# KiCad board homebrew_486.kicad_pcb (continued)
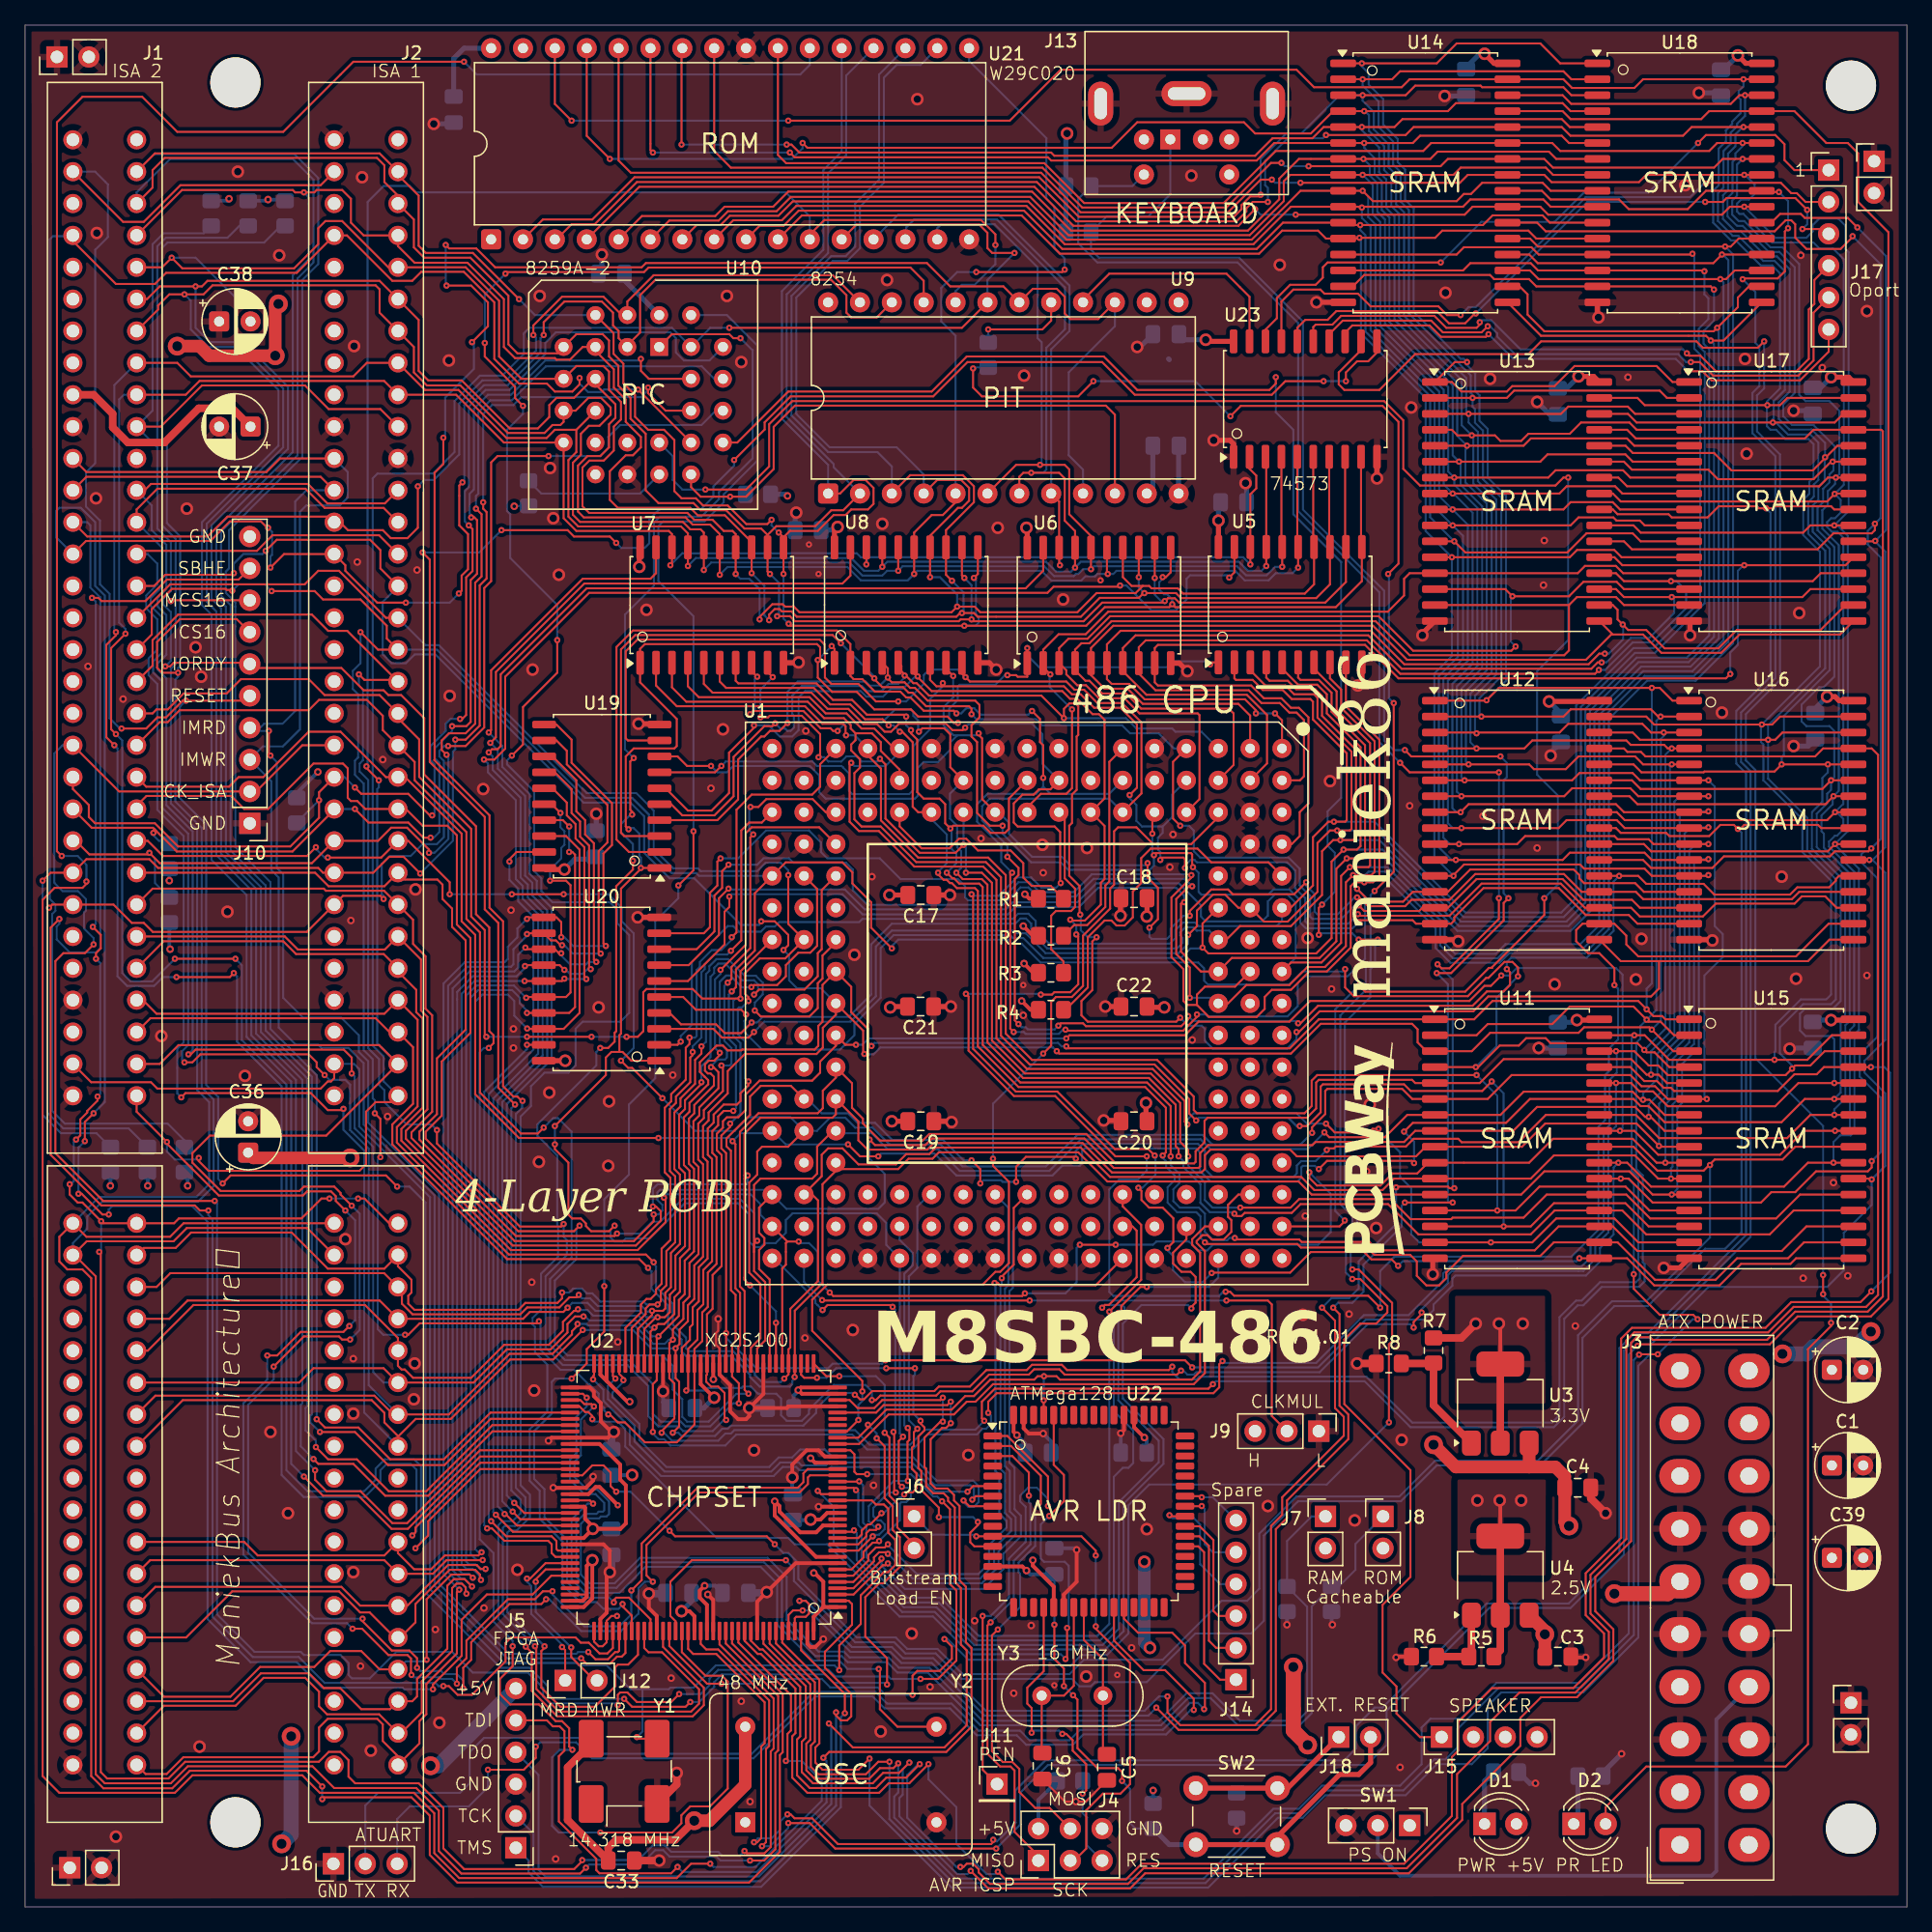
[diagram p0: board, top side]
## Routing (per net, layer and track width the routed paths; a pad name or vN(x,y) marks a point on that pad's centre or on a via; arc(x,y) is an arc through that point) (continued)
/A1: length 290
  Top w0.16: J1.61 10.73,67.2 12.23,68.69 28.22,68.69 J2.61 24,61.48 14.73,61.48 13.33,60.08 13.33,59.32 15.59,57.07 21.88,57.07 22.22,57.42 24.64,57.42 25.15,56.91 25.15,56.78 v3(26.04,55.89) ; v3(77.34,132.47) 77.34,133.32 76.2,134.46 63.71,134.46 62.55,133.3 U21.11 ; v3(50.04,25.92) 49.53,26.43 49.53,28.84 53.72,33.03 61.72,33.03 62.4,33.71 62.4,34.24 62.56,34.4 U2.22 ; v3(26.9,22.97) 26.9,22.77 29.24,20.43 30.63,20.43 31.24,19.83 v3(31.24,19.06) ; v3(41.53,24.52) 41.15,24.14 38.61,24.14 35.56,21.09 35.56,19.7 34.92,19.06 v3(34.92,17.41) ; v3(19.81,43.07) 22.22,45.47 25.02,45.47 25.27,45.23 v3(25.91,45.23) ; v3(28.19,89.8) 27.21,90.79 v3(27.21,90.91)
  Bottom w0.16: v3(31.24,19.06) 31.5,18.81 33.15,18.81 33.4,18.56 34.42,18.56 34.92,18.05 v3(34.92,17.41) ; v3(25.91,45.23) 26.67,45.99 26.67,55.26 v3(26.04,55.89) ; U21.11 62.55,134.76 60.64,136.67 31.18,136.67 30.67,137.17 28.57,137.17 27.31,135.9 27.31,91.01 v3(27.21,90.91) 27.18,90.88 ; v3(77.34,132.47) 77.34,130.95 75.69,129.3 74.68,129.3 74.17,128.79 U9.20 ; v3(19.81,43.07) 19.81,42.05 17.78,40.02 17.78,28.24 23.05,22.97 v3(26.9,22.97) ; v3(28.19,89.8) 28.19,89.23 28.07,89.1 28.07,68.85 J2.61 ; v3(50.04,25.92) 49.4,25.92 48.89,25.41 48.89,23.38 47.5,21.98 44.32,21.98 41.78,24.52 v3(41.53,24.52)
/A2: length 360.3
  Top w0.16: 103.95,132.98 U14.12 ; 103.95,132.98 103.7,132.98 103.06,133.62 100.2,133.62 98.36,131.78 82.49,131.78 79.44,134.82 61.91,134.82 U21.10 ; 103.95,132.98 U14.12 ; v3(49.66,50.94) 48.96,51.64 38.42,51.64 29.27,60.78 29.27,62.37 30.92,64.02 30.92,68.53 J2.60 29.04,69.74 27.94,70.84 9.99,70.84 J1.60 ; U14.12 106.3,132.98 v3(106.36,133.05) 112.4,133.05 112.97,133.62 119.83,133.62 120.46,132.98 U18.12 ; U15.12 v3(131.25,56.78) 129.73,56.78 127.88,58.63 121.1,58.63 119.25,56.78 U11.12 102.55,56.78 101.51,57.82 86.27,57.82 83.95,60.15 72.83,60.15 72.33,59.64 70.42,59.64 69.6,58.81 65.14,58.81 U1.Q14 64.58,59.27 64.58,58.62 63.56,57.61 63.56,49.73 61.35,47.52 U2.40 61.35,42.25 v3(61.34,42.24) ; U12.12 v3(113.86,82.18) 113.86,82.25 114.7,83.09 123.94,83.09 124.27,82.76 129.09,82.76 129.67,82.18 U16.12 134.11,82.18 v3(134.18,82.25) ; U17.12 127.25,107.58 126.67,108.16 123.71,108.16 123.13,107.58 v3(113.73,107.58) U13.12
  Bottom w0.16: v3(49.66,50.94) 49.93,50.67 49.93,49.27 51.24,47.96 51.24,46.3 52.33,45.22 52.33,44.26 52.67,43.92 56.29,43.92 57.78,42.43 57.78,42.24 58.55,41.48 60.96,41.48 61.15,41.67 61.15,41.92 61.34,42.11 v3(61.34,42.24) ; v3(106.36,133.05) 106.48,132.93 106.48,125.43 111.63,120.28 111.63,109.68 v3(113.73,107.58) 113.73,99.71 112.33,98.31 112.33,83.71 v3(113.86,82.18) ; v3(131.25,56.78) 131.7,57.23 131.7,63.7 132.08,64.08 132.08,67.2 133.41,68.53 133.41,82.06 133.54,82.18 133.92,82.18
/A3: length 367.8
  Top w0.16: U17.11 128.78,108.85 128.14,109.49 124.46,109.49 122.94,107.96 114.81,107.96 v3(113.92,108.85) U13.11 ; U15.11 v3(131.19,58.05) 130.17,58.05 128.32,59.9 121.86,59.9 120.01,58.05 U11.11 109.11,58.05 108.2,57.14 102.76,57.14 101.72,58.18 86.48,58.18 84.14,60.53 72.6,60.53 72.07,60 70.23,60 69.41,59.19 66.43,59.19 65.15,60.47 64.01,60.47 63.5,59.96 63.5,58.24 62.09,56.83 U1.R15 ; U1.R15 62.74,56.78 63.2,56.32 63.2,49.88 60.99,47.67 60.99,44.59 60.85,44.45 U2.41 60.85,42.45 v3(60.52,42.11) ; U1.R15 62.17,56.78 ; U21.9 58.55,134 60.45,134 61.66,135.2 79.63,135.2 82.68,132.16 98.17,132.16 100.27,134.25 U14.11 105.25,134.06 116.2,134.06 116.98,134.83 120.96,134.83 121.54,134.25 U18.11 ; U12.11 122.56,83.45 123.13,84.03 129.09,84.03 129.67,83.45 U16.11 134.11,83.45 v3(134.18,83.52) ; J1.59 9.4,72.28 10.48,71.2 28.64,71.2 J2.59 31.28,70.71 31.28,63.81 29.63,62.16 29.63,60.93 38.57,52 49.49,52 v3(50.1,51.38)
  Bottom w0.16: v3(50.1,51.38) 50.1,51.26 50.29,51.07 50.29,49.42 51.63,48.08 51.63,46.43 52.69,45.37 52.69,44.53 52.91,44.3 56.42,44.3 58.17,42.56 58.17,42.41 58.74,41.84 60.24,41.84 v3(60.52,42.11) ; 134.05,83.52 133.35,83.52 133.03,83.2 133.03,68.78 131.68,67.43 131.68,64.32 131.32,63.96 131.32,59 131.19,58.88 v3(131.19,58.05) ; v3(106.43,134.06) 106.43,133.66 106.84,133.24 106.84,125.58 111.99,120.43 111.99,110.78 v3(113.92,108.85) 114.21,108.56 114.21,99.64 112.69,98.12 112.69,84.47 113.71,83.45 v3(114.05,83.45)
/A4: length 377.6
  Top w0.16: v3(50.93,56.53) 51.05,56.4 51.05,54.58 48.83,52.36 38.72,52.36 29.99,61.08 29.99,62.01 31.69,63.7 31.69,70.82 31.18,71.32 31.18,73.1 29.72,74.56 J2.58 28.58,75.95 21.59,75.95 20.57,76.98 11.05,76.98 J1.58 ; v3(102.36,58.56) 102.36,58.12 102.98,57.5 108.03,57.5 109,58.46 110.97,58.46 111.82,59.32 U11.10 119.89,59.32 121.79,61.23 128.14,61.23 130.05,59.32 v3(130.75,59.32) U15.10 ; v3(79.69,48.91) 79.48,48.7 64.41,48.7 v3(64.13,48.97) ; U18.10 121.6,135.52 121.02,136.1 115.2,136.1 114.62,135.52 U14.10 100.9,135.52 97.92,132.54 82.87,132.54 79.82,135.59 61.47,135.59 60.33,134.44 56.45,134.44 U21.8 ; 60.75,53.04 U1.S16 ; 60.75,53.04 v3(61.66,53.04) ; 60.75,53.04 60.64,52.92 60.64,51.19 60.35,50.9 U2.42 ; v3(134.18,84.72) U16.10 129.79,84.72 129.41,85.1 126.94,85.1 126.68,85.36 119.57,85.36 118.94,84.72 U12.10 ; U13.10 123.19,110.12 123.82,110.76 126.6,110.76 126.85,110.5 128.71,110.5 129.1,110.12 U17.10 ; v3(86.93,52.78) v3(84.07,52.78)
  Bottom w0.16: v3(61.66,53.04) 61.79,52.91 62.48,52.91 63.18,52.21 63.18,49.92 v3(64.13,48.97) ; v3(102.36,58.56) 104.08,56.85 104.08,53.8 103.06,52.78 94.68,52.78 94.23,52.34 93.47,52.34 92.77,53.04 90.17,53.04 89.92,52.78 v3(86.93,52.78) ; v3(114.3,84.72) 113.56,84.72 113.05,85.23 113.05,97.93 114.62,99.5 114.62,109.3 v3(113.79,110.12) 112.35,111.56 112.35,120.58 107.25,125.68 107.25,133.93 106.55,134.63 v3(106.55,135.46) ; v3(50.93,56.53) 50.93,56.61 51.12,56.8 57.83,56.8 58.61,56.02 58.61,55.18 U1.S16 ; v3(84.07,52.78) 83.82,52.53 83.82,49.8 82.93,48.91 v3(79.69,48.91) ; v3(134.18,84.72) 133.16,84.72 132.65,84.21 132.65,68.91 131.32,67.58 131.32,64.53 130.75,63.96 v3(130.75,59.32)
/A5: length 385
  Top w0.16: U18.9 121.6,136.79 120.97,137.43 116.14,137.43 115.25,136.54 114.68,136.54 114.11,135.97 107.44,135.97 v3(106.62,136.79) U14.9 101.66,136.79 97.77,132.9 83.02,132.9 79.97,135.95 61.19,135.95 60.05,134.8 56.18,134.8 55.44,134.06 53.53,134.06 U21.7 ; U2.43 v3(59.85,46.56) ; J1.57 20.7,77.36 21.74,76.31 28.68,76.31 J2.57 31.56,75.51 31.56,71.45 32.07,70.94 32.07,63.57 30.35,61.86 30.35,61.23 38.87,52.72 48.68,52.72 50.67,54.71 50.67,55.45 50.29,55.83 v3(50.04,55.83) ; v3(134.18,86.06) 134.11,85.99 U16.9 127.51,85.99 126.87,86.63 122.87,86.63 122.24,85.99 v3(114.49,85.99) U12.9 ; v3(57.78,49.54) 57.34,49.99 57.34,50.18 ; U17.9 127.13,111.39 126.55,111.97 123.2,111.97 122.62,111.39 v3(113.79,111.39) U13.9 ; 57.34,50.18 57.34,50.05 ; 57.34,50.18 57.34,58.05 ; 57.34,58.05 57.34,58.31 ; 57.34,58.05 v3(57.59,58.31) 57.34,58.31 ; 57.34,58.31 57.34,61.63 58.61,62.9 64.35,62.9 64.63,63.18 U1.Q12 66.42,62.61 66.42,61.1 67.16,60.36 71.9,60.36 72.43,60.89 84.29,60.89 86.63,58.54 93.77,58.54 94.04,58.81 94.04,59.92 94.49,60.36 100.84,60.36 101.37,59.83 110.87,59.83 111.63,60.59 U11.9 119.32,60.59 121.17,62.44 128.45,62.44 v3(130.24,60.66) 130.3,60.59 U15.9
  Bottom w0.16: v3(59.85,46.56) 59.85,47.48 v3(57.78,49.54) ; v3(134.18,86.06) 132.78,86.06 132.27,85.55 132.27,69.16 130.87,67.77 130.87,64.66 130.24,64.02 v3(130.24,60.66) ; v3(114.49,85.99) 113.79,85.99 113.41,86.37 113.41,97.74 115,99.33 115,110.19 v3(113.79,111.39) 112.71,112.47 112.71,120.79 107.63,125.87 107.63,134.12 107.06,134.7 107.06,136.35 v3(106.62,136.79) ; 50.04,55.77 v3(50.04,55.83) 50.04,57.23 50.42,57.61 57.53,57.61 57.59,57.67 v3(57.59,58.31)
/A6: length 385.7
  Top w0.16: U18.8 121.79,138.06 121.21,138.64 114.44,138.64 113.86,138.06 U14.8 100.84,138.06 100.33,137.55 100.33,135.97 97.62,133.26 83.17,133.26 80.12,136.31 61.04,136.31 59.9,135.16 56.03,135.16 55.29,134.42 51.35,134.42 U21.6 ; U15.8 130.68,61.86 129.57,62.97 v3(129.41,62.97) 129.13,62.97 128.33,63.77 120.52,63.77 118.62,61.86 U11.8 110.81,61.86 109.92,60.97 102.86,60.97 102.62,60.72 94.3,60.72 93.66,60.08 93.66,59.03 93.54,58.9 86.78,58.9 84.44,61.25 72.28,61.25 71.75,60.72 67.75,60.72 v3(67.31,61.16) ; U2.44 59.35,50.01 58.51,50.85 58.51,52.36 58.93,52.78 58.93,53.31 58.51,53.73 58.51,55.74 U1.S15 ; J1.56 10.16,81.17 23.81,81.17 23.98,81 28.62,81 J2.56 30.92,78.69 30.92,76.76 31.92,75.77 31.92,71.6 32.45,71.07 32.45,63.39 30.8,61.74 30.8,61.29 39.01,53.08 48.53,53.08 50.1,54.65 v3(50.1,55.19) ; U13.8 122.3,112.66 122.88,113.24 126.74,113.24 127.32,112.66 U17.8 ; U12.8 v3(114.43,87.26) 115.06,87.9 126.81,87.9 127.44,87.26 U16.8 134.11,87.26 v3(134.18,87.33)
  Bottom w0.16: v3(50.1,55.19) 50.48,55.19 50.8,55.51 50.8,55.96 50.4,56.36 50.4,56.95 50.61,57.16 59.17,57.16 U1.S15 60.69,55.64 68.01,55.64 68.52,56.15 68.52,58.43 67.31,59.64 v3(67.31,61.16) ; v3(114.43,87.26) 114.09,87.26 113.77,87.58 113.77,97.49 115.38,99.09 115.38,111.14 113.86,112.66 v3(113.79,112.66) 113.07,113.38 113.07,120.94 108.01,126 108.01,134.32 107.42,134.91 107.42,137.26 v3(106.62,138.06) ; v3(129.41,62.97) 129.41,63.96 130.49,65.04 130.49,67.89 131.89,69.29 131.89,87.14 132.08,87.33 v3(134.18,87.33)
/A7: length 392.1
  Top w0.16: U2.46 58.35,44.52 58.99,45.16 58.99,49.8 58.1,50.69 58.1,52.21 ; 58.1,52.21 58.1,52.85 v3(58.36,53.1) ; 58.1,52.21 58.1,57.54 58.61,58.05 62.74,58.05 63.13,58.44 63.13,60.6 64.39,61.86 U1.Q13 ; v3(134.18,88.53) U16.7 128.59,88.53 127.95,89.17 123.32,89.17 122.68,88.53 U12.7 ; J1.55 23.11,82.44 24.19,81.36 28.64,81.36 J2.55 30.26,81.89 32.86,81.89 33.27,81.48 33.27,80.34 34.04,79.58 34.04,78.12 35.12,77.04 35.12,69.93 32.83,67.64 32.83,63.2 31.43,61.8 31.43,61.17 39.12,53.48 46.99,53.48 v3(47.18,53.67) ; U21.5 49.17,134.78 55.01,134.78 55.75,135.52 59.63,135.52 60.83,136.73 80.26,136.73 83.38,133.62 97.47,133.62 99.97,136.12 99.97,137.77 101.54,139.33 U14.7 112.01,139.33 112.59,139.91 121.47,139.91 122.05,139.33 U18.7 ; U13.7 v3(113.92,113.93) 121.41,113.93 121.99,114.51 127.37,114.51 127.95,113.93 U17.7 ; U15.7 130.68,63.13 129.48,64.34 v3(128.97,64.34) 128.78,64.34 128.14,64.98 119.45,64.98 117.6,63.13 U11.7 110.17,63.13 108.39,61.35 103.95,61.35 v3(103.57,61.74)
  Bottom w0.16: v3(106.68,139.33) 107.19,138.82 107.19,138 107.78,137.41 107.78,135.12 108.39,134.51 108.39,126.19 113.43,121.15 113.43,114.42 v3(113.92,113.93) 113.92,113.36 115.76,111.52 115.76,98.92 114.13,97.3 114.13,88.89 v3(114.49,88.53) ; v3(47.18,53.67) 49.02,53.67 49.97,54.62 50.61,54.62 52.43,56.44 56.98,56.44 58.1,55.32 58.1,53.35 v3(58.36,53.1) ; v3(134.18,88.53) 131.89,88.53 131.47,88.11 131.47,69.38 130.11,68.02 130.11,65.99 128.97,64.85 v3(128.97,64.34) ; v3(103.57,61.74) 102.23,60.4 94.49,60.4 93.7,61.18 84.16,61.18 81.64,58.67 74.51,58.67 72.77,60.4 68.75,60.4 67.48,61.67 64.82,61.67 U1.Q13
/A8: length 386.8
  Top w0.16: v3(50.04,139.84) 49.85,140.03 U21.27 ; v3(47.5,67.45) 48.07,66.88 48.39,66.88 v3(50.8,64.47) ; v3(134.05,64.4) U15.6 130.94,64.4 129.92,65.42 128.84,65.42 127.95,66.31 118.49,66.31 116.59,64.4 U11.6 110.57,64.4 109.77,65.21 103.8,65.21 103.63,65.04 103.63,63.19 102.58,62.15 v3(102.58,61.7) 102.55,61.67 ; U18.6 123.06,140.6 122.48,141.18 111.2,141.18 110.62,140.6 U14.6 99.57,140.6 98.17,139.21 81.79,139.21 81.53,139.46 61.34,139.46 v3(60.96,139.84) ; v3(24.13,83.64) 28.38,83.64 J2.54 30.54,84.98 33.85,81.67 v3(33.85,80.72) ; U17.6 128.14,115.2 127.56,115.78 121.36,115.78 120.78,115.2 U13.6 ; U2.47 57.85,44.57 58.61,45.33 58.61,49.67 57.72,50.56 57.72,57.73 58.36,58.37 58.36,60.21 58.74,60.59 60.82,60.59 U1.R13 ; v3(134.18,89.8) U16.6 128.71,89.8 128.13,90.38 123.9,90.38 123.32,89.8 v3(114.74,89.8) U12.6 ; v3(38.8,80.72) v3(42.93,80.72) ; v3(23.18,84.47) 22.48,83.77 10.99,83.77 9.78,84.98 J1.54
  Bottom w0.16: v3(134.05,64.4) 133.86,64.59 133.86,74.24 135.32,75.71 135.32,77.55 134.68,78.18 134.68,89.29 v3(134.18,89.8) ; v3(50.8,64.47) 53.4,61.86 56.58,61.86 57.66,62.94 61.01,62.94 U1.R13 63.12,61.86 64.16,62.9 65.38,62.9 66.17,62.12 67.56,62.12 68.9,60.78 72.96,60.78 74.72,59.03 81.36,59.03 83.88,61.54 93.85,61.54 94.61,60.78 101.66,60.78 v3(102.58,61.7) ; v3(60.96,139.84) v3(50.04,139.84) ; v3(114.74,89.8) 114.49,90.06 114.49,97.1 116.14,98.76 116.14,111.65 114.43,113.36 114.43,115.08 v3(114.3,115.2) 113.79,115.71 113.79,121.3 108.75,126.34 108.75,134.66 108.14,135.27 108.14,137.56 107.57,138.13 107.57,139.4 106.74,140.22 v3(106.74,140.6) ; v3(42.93,80.72) 46.48,80.72 47.56,79.64 47.56,78.56 48.51,77.61 48.51,68.47 v3(47.5,67.45) ; v3(23.18,84.47) 23.18,84.34 23.88,83.64 v3(24.13,83.64) ; v3(38.8,80.72) v3(33.85,80.72)
/A9: length 422.5
  Top w0.16: U16.5 v3(131.25,91.07) 128.97,91.07 128.33,91.71 123.82,91.71 122.81,90.69 120.27,90.69 119.89,91.07 U12.5 ; J1.53 8.89,87.77 9.67,88.55 16.43,88.55 17.46,87.52 19.37,87.52 22.99,91.14 25.34,91.14 25.72,90.75 25.72,88.41 25.97,88.15 26.48,88.15 27.11,87.52 J2.53 30.35,87.52 31.69,86.18 33.65,86.18 34.42,85.42 34.42,78.31 35.5,77.23 35.5,69.67 33.21,67.39 33.21,63.07 31.93,61.79 31.93,61.23 39.31,53.86 43.75,53.86 v3(44.2,54.31) ; v3(57.66,40.91) 57.35,41.21 U2.48 57.35,49.09 56.98,49.46 56.98,61.78 58.46,63.26 63.18,63.26 63.59,63.67 63.59,65.06 64.63,66.1 U1.Q11 65.91,65.66 65.91,63.7 66.78,62.84 66.78,62.45 68.15,61.08 71.55,61.08 72.07,61.61 84.59,61.61 86.93,59.26 93.18,59.26 93.3,59.39 93.3,60.23 94.01,60.94 94.01,62.66 94.26,62.9 102.17,62.9 102.91,63.65 102.91,65.71 103.13,65.93 110.55,65.93 110.81,65.67 U11.5 115.95,65.67 117.86,67.58 128.02,67.58 129.25,66.34 v3(129.6,66.34) 130.21,66.34 130.87,65.67 U15.5 ; U13.5 v3(114.94,116.47) 119.44,116.47 120.02,117.05 127.69,117.05 128.27,116.47 U17.5 ; U18.5 123.13,141.87 122.49,142.51 109.79,142.51 109.16,141.87 U14.5 103.5,141.87 102.62,140.98 99.44,140.98 98.04,139.59 82.04,139.59 81.79,139.84 61.72,139.84 61.09,140.48 v3(60.71,140.48) ; v3(52.32,140.48) 52.32,148.1 U21.26
  Bottom w0.16: v3(44.2,54.31) 43.94,54.05 43.94,51.64 42.23,49.92 42.23,44.97 43.24,43.96 50.8,43.96 51.63,43.13 51.63,41.22 52.39,40.46 52.39,39.07 52.77,38.68 54.48,38.68 56.71,40.91 v3(57.66,40.91) ; v3(60.71,140.48) v3(52.32,140.48) ; v3(106.55,141.87) 106.55,141.62 107.93,140.24 107.93,138.28 108.5,137.71 108.5,135.42 109.16,134.76 109.16,126.51 114.15,121.51 114.15,117.25 v3(114.94,116.47) 114.94,116.28 114.81,116.15 114.81,113.55 116.5,111.86 116.5,98.57 114.85,96.91 114.85,91.28 v3(115.06,91.07) ; v3(131.25,91.07) 131.11,90.92 131.11,69.72 129.6,68.21 129.6,66.37 129.54,66.31
/A10: length 417.8
  Top w0.16: U12.27 128.08,89.8 128.77,89.11 143.26,89.11 v3(143.95,89.8) U16.27 ; U18.27 134.87,140.6 134.24,139.97 122.36,139.97 121.73,140.6 U14.27 112.08,140.6 111.44,139.97 99.69,139.97 95.55,135.82 84.42,135.82 81.24,138.99 60.66,138.99 60.01,139.65 U21.23 ; U17.27 v3(144.08,115.2) 143.95,115.2 142.56,113.81 134.94,113.81 134.18,114.57 128.08,114.57 127.44,115.2 U13.27 ; v3(56.39,61.04) 56.62,60.8 56.62,49.31 56.99,48.94 56.99,44.78 56.85,44.64 U2.49 ; 110.74,59.26 v3(110.71,59.29) 110.53,59.47 103.78,59.47 v3(103.12,58.81) ; v3(65.6,60.78) 66.55,59.83 v3(68.01,59.83) ; 50.55,61.29 v3(50.48,61.29) 39.37,61.29 35.88,64.78 35.88,77.48 34.8,78.56 34.8,85.55 30.29,90.06 J2.52 28.77,90.06 25.15,93.68 22.61,93.68 18.99,90.06 17.02,90.06 16.26,89.29 9.65,89.29 J1.52 ; U15.27 v3(144.21,64.4) 141.86,64.4 140.01,62.55 130.68,62.55 129.4,63.83 128.78,63.83 128.21,64.4 U11.27 119.95,64.4 118.05,62.5 110.62,62.5 v3(109.92,61.8)
  Bottom w0.16: v3(68.01,59.83) 68.22,60.04 72.5,60.04 74.23,58.31 81.89,58.31 82.67,59.08 84.06,59.08 84.25,59.27 84.25,60.26 84.46,60.47 93.34,60.47 93.66,60.15 93.66,58.65 94.49,57.82 101.44,57.82 101.73,58.12 101.73,58.94 101.85,59.07 102.81,59.07 103.06,58.81 v3(103.12,58.81) ; 144.15,115.2 144.15,114.5 143.83,114.19 143.83,113.55 143.32,113.04 143.32,111.96 142.88,111.52 142.88,109.74 144.21,108.41 144.21,98.06 143.38,97.23 143,97.23 141.6,95.83 141.6,94.5 141.99,94.12 143.83,94.12 144.21,93.74 144.21,90.06 v3(143.95,89.8) 143.95,89.04 143.64,88.72 143.64,87.96 142.81,87.14 142.81,84.47 145.08,82.2 145.08,70.82 144.72,70.46 144.72,64.91 v3(144.21,64.4) ; v3(144.08,115.2) 144.25,115.37 144.25,116.43 142.56,118.12 140.84,118.12 140.14,118.82 140.14,119.77 141.05,120.68 141.05,130.7 139.83,131.92 138.98,131.92 136.9,134 136.46,134 135.7,134.76 135.7,136.22 136.1,136.62 136.1,139.1 136.33,139.33 136.33,139.78 136.91,140.35 v3(136.91,140.6) ; v3(65.6,60.78) 60.63,60.78 U1.S13 59.36,61.67 57.02,61.67 v3(56.39,61.04) 56.13,61.29 v3(50.48,61.29) ; v3(110.71,59.29) 110.71,61 v3(109.92,61.8)
/A11: length 451.5
  Top w0.16: U21.25 54.93,139.97 56.26,138.63 81.09,138.63 84.27,135.46 95.76,135.46 99.31,139.01 v3(100.14,139.01) ; v3(102.31,138.75) 112.83,138.75 113.41,139.33 U14.26 121.09,139.33 121.78,138.64 134.63,138.64 135.32,139.33 U18.26 ; v3(76.14,57.67) 76.14,58.81 v3(75.44,59.51) ; U13.26 127,113.93 127.69,113.24 143.01,113.24 143.7,113.93 v3(144.34,113.93) U17.26 ; J1.51 10.73,94.44 11.37,94.44 12.32,95.39 22.61,95.39 23.43,96.22 27.24,96.22 28.51,94.95 28.51,93.8 J2.51 31.05,91.26 31.05,89.8 35.18,85.68 35.18,78.75 36.26,77.67 36.26,64.91 39.52,61.65 40.87,61.65 v3(41.34,62.12) ; v3(56.9,40.15) 56.9,41.73 56.35,42.28 U2.50 56.35,44.82 56.63,45.1 56.63,48.79 56.26,49.16 56.26,60.27 55.91,60.63 55.91,61.26 57.78,63.13 57.78,64.59 58.64,65.44 61.05,65.44 U1.R12 ; v3(78.99,57.8) 78.99,59 79.78,59.79 83.61,59.79 v3(83.76,59.64) ; U12.26 127.89,88.53 128.52,87.9 143.51,87.9 v3(144.15,88.53) U16.26 ; U15.26 v3(144.21,63.13) 142.3,63.13 140.45,61.28 130.25,61.28 128.4,63.13 U11.26 121.22,63.13 119.06,60.97 119.06,60.95 114.51,60.95 114.24,61.23 110.68,61.23 110.07,60.61 104.48,60.61 104.33,60.47 103.89,60.47 v3(103.76,60.34)
  Bottom w0.16: v3(103.76,60.34) 102.87,59.45 101.73,59.45 101.37,59.09 101.37,58.45 101.1,58.18 94.67,58.18 94.04,58.81 94.04,60.27 93.49,60.82 84.31,60.82 83.76,60.27 v3(83.76,59.64) ; v3(144.15,88.53) 144.57,88.96 144.57,108.55 143.26,109.87 143.26,111.33 143.7,111.77 143.7,112.85 144.27,113.42 144.27,113.93 ; v3(75.44,59.51) 74.8,59.51 73.17,61.14 69.11,61.14 67.75,62.5 66.36,62.5 65.59,63.26 63.49,63.26 62.36,64.4 U1.R12 ; v3(100.14,139.01) 100.4,138.75 v3(102.31,138.75) ; v3(144.34,113.93) 144.61,114.21 144.61,119.25 143.83,120.03 141.92,120.03 141.41,120.54 141.41,130.95 140.08,132.28 139.13,132.28 137.03,134.38 136.59,134.38 136.08,134.89 136.08,136.03 136.46,136.41 136.46,138.89 v3(136.91,139.33) ; v3(41.34,62.12) 42.1,62.88 42.48,62.88 43.56,61.8 43.56,51.77 41.85,50.05 41.85,44.78 43.03,43.6 48.11,43.6 50.04,41.67 50.04,39.32 50.67,38.68 52.26,38.68 52.64,38.3 54.61,38.3 56.45,40.15 v3(56.9,40.15) ; v3(78.99,57.8) 77.91,57.8 77.79,57.93 76.39,57.93 v3(76.14,57.67) ; v3(144.21,63.13) 144.21,63.58 145.1,64.47 145.1,70.29 145.44,70.63 145.44,82.37 143.38,84.42 143.38,85.55 143.19,85.74 143.19,87.01 144.08,87.9 144.08,88.47
/A12: length 446.3
  Top w0.16: U15.23 v3(144.15,59.32) 142.11,59.32 140.21,57.42 129.6,57.42 127.7,59.32 v3(127,59.32) U11.23 ; U18.23 v3(137.03,135.52) 135.89,135.52 135.25,134.89 121.41,134.89 120.78,135.52 U14.23 115.38,135.52 114.74,134.89 v3(101.28,134.89) ; J1.50 10.16,95.14 10.48,95.45 11.37,95.45 12.64,96.72 16.07,96.72 17.21,97.87 22.61,97.87 23.88,96.6 28.26,96.6 J2.50 29.72,94.76 31.41,93.06 31.41,90.08 35.56,85.93 35.56,78.94 36.64,77.86 36.64,69.48 v3(36.77,69.36) ; v3(68.58,43.57) 92.46,43.57 v3(93.03,43) ; U16.23 v3(144.27,84.72) 143.69,84.14 129.61,84.14 129.03,84.72 U12.23 ; U13.23 128.21,110.12 128.79,109.54 141.72,109.54 142.3,110.12 v3(144.21,110.12) U17.23 ; U1.S7 57.02,74.58 v3(57.02,72.4) 53.97,72.4 53.21,73.17 49.53,73.17 49.28,72.91 49.28,69.8 48.83,69.36 v3(47.94,69.36) ; v3(98.04,135.33) 96.71,134 83.57,134 80.45,137.11 48.96,137.11 U21.4 ; v3(56.2,62.43) 56.2,62.18 55.5,61.48 55.5,60.47 55.88,60.08 v3(55.88,45.73) 55.88,43.34 U2.51 ; v3(45.15,69.36) v3(40,69.36)
  Bottom w0.16: v3(45.15,69.36) v3(47.94,69.36) ; v3(144.15,59.32) 144.15,60.97 144.67,61.5 145.52,61.5 145.82,61.8 145.82,69.55 146.18,69.91 146.18,82.75 144.27,84.66 v3(144.27,84.72) 145.29,85.74 145.29,109.3 144.46,110.12 144.34,110.12 ; v3(55.88,45.73) 55.88,45.35 58.29,42.94 64.01,42.94 64.37,43.3 68.3,43.3 v3(68.58,43.57) ; v3(93.03,43) 103.06,43 106.87,46.81 111.51,46.81 112.27,47.57 112.27,48.02 113.77,49.52 113.77,50.09 114,50.33 124.42,50.33 125.54,51.45 125.54,52.53 126.62,53.61 126.62,58.94 v3(127,59.32) ; v3(57.02,72.4) 56.64,72.4 56.45,72.21 56.45,69.42 57.02,68.85 57.02,63.26 v3(56.2,62.43) ; v3(144.21,110.12) 145.35,111.27 145.35,131.9 145.1,132.16 145.1,134 144.53,134.57 143,134.57 142.49,134.06 142.49,133.55 141.99,133.05 139.51,133.05 v3(137.03,135.52) ; v3(36.77,69.36) v3(40,69.36) ; v3(101.28,134.89) 98.49,134.89 v3(98.04,135.33)
/A13: length 487.3
  Top w0.16: v3(101.66,137.43) 114.36,137.43 115,138.06 U14.25 121.09,138.06 121.67,137.48 128.64,137.48 129.22,138.06 v3(137.03,138.06) U18.25 ; J1.49 10.16,98.95 10.16,100.98 12.19,103.01 22.86,103.01 24.16,101.71 25.68,101.71 J2.49 29.59,97.8 27.05,97.8 v3(26.61,98.25) ; v3(66.23,68.72) 65.39,68.72 U1.Q10 64.63,68.64 63.37,67.39 63.37,66.5 62.74,65.86 58.55,65.86 57.42,64.74 57.42,63.51 56.85,62.94 55.94,62.94 55.63,62.62 55.63,62.12 55.14,61.63 55.14,60.32 55.52,59.93 55.52,51.09 54.8,50.37 54.8,47.68 54.35,47.23 U2.54 54.35,42.43 54.29,42.37 54.29,41.86 54.67,41.48 55.24,41.48 55.75,40.97 55.75,38.94 v3(55.88,38.81) ; U11.25 v3(127.13,61.86) 128.27,61.86 130.17,59.96 139.89,59.96 141.8,61.86 v3(144.27,61.86) U15.25 ; v3(32.83,61.93) 32.83,60.85 39.44,54.23 42.73,54.23 v3(42.93,54.43) ; U13.25 126.56,112.66 127.19,112.03 143.64,112.03 v3(144.24,112.63) 144.27,112.66 U17.25 ; v3(99.38,137.68) 98.49,137.68 95.88,135.08 84.14,135.08 80.98,138.23 48.28,138.23 47.31,139.21 U21.28 ; v3(117.67,74.24) 116.84,73.42 116.33,73.42 115.13,72.21 102.43,72.21 100.77,70.56 93.54,70.56 92.46,69.48 83.25,69.48 v3(82.99,69.23) ; U12.25 126.87,87.26 127.51,86.63 143.64,86.63 v3(144.27,87.26) U16.25
  Bottom w0.16: v3(26.61,98.25) 26.61,97.36 26.92,97.04 26.92,91.39 26.67,91.14 26.67,90.5 27.35,89.82 27.35,68.44 28.21,67.58 28.21,65.52 28.64,65.1 28.64,64.15 30.42,62.37 32.39,62.37 v3(32.83,61.93) ; 144.34,87.26 144.4,87.26 144.93,86.73 144.93,85.89 144.43,85.39 144.26,85.39 143.79,84.92 143.79,84.52 145.8,82.52 145.8,70.24 145.46,69.91 145.46,62.03 145.29,61.86 v3(144.27,61.86) ; v3(127.13,61.86) 127.34,62.07 127.34,74.31 126.81,74.84 118.89,74.84 118.3,74.24 v3(117.67,74.24) 117.6,74.24 ; 66.17,68.72 v3(66.23,68.72) 66.74,68.72 67.25,69.23 v3(82.99,69.23) ; v3(144.27,87.26) 144.93,87.92 144.93,109.15 144.46,109.61 144.02,109.61 143.64,110 143.64,110.38 143.95,110.69 144.27,110.69 144.72,111.14 144.72,112.15 144.27,112.6 ; 137.1,138.06 137.86,137.3 137.86,136.54 137.41,136.09 136.78,136.09 136.46,135.78 136.46,135.14 136.65,134.95 136.97,134.95 139.26,132.66 142.56,132.66 143.03,132.19 144.11,132.19 144.97,131.33 144.97,113.36 v3(144.24,112.63) ; v3(55.88,38.81) 55.69,38.81 54.8,37.92 52.45,37.92 52.07,38.3 50.48,38.3 49.68,39.11 49.68,41.52 48,43.19 42.86,43.19 41.49,44.57 41.49,50.26 43.18,51.96 43.18,53.16 42.93,53.42 v3(42.93,54.43) ; v3(99.38,137.68) 99.63,137.43 v3(101.66,137.43)
/A14: length 523.2
  Top w0.16: U16.4 v3(131.25,92.34) 130.94,92.34 130.65,92.63 127.98,92.63 127.63,92.98 120.14,92.98 119.51,92.34 v3(115.7,92.34) U12.4 ; v3(28.32,59.77) 28.32,62.81 v3(27.88,63.26) ; U21.29 44.77,141.17 v3(46.61,139.33) ; v3(119,74.18) 119,74.88 118.55,75.32 117.92,75.32 116.65,74.05 116.46,74.05 115,72.59 105.92,72.59 105.22,73.29 v3(105.22,74.75) ; U17.4 128.46,117.74 127.88,118.32 124.02,118.32 123.13,117.42 119.82,117.42 119.25,116.85 117.6,116.85 117.16,117.3 v3(115.32,117.3) 114.17,117.3 113.73,117.74 U13.4 ; U11.4 v3(115.63,66.94) 115.82,66.94 117.54,68.66 119.06,68.66 119.65,69.25 121.2,69.25 121.6,68.85 128.52,68.85 v3(129.06,68.31) 129.25,68.12 129.89,68.12 131.06,66.94 U15.4 ; J1.48 10.1,101.42 10.1,103.45 11.71,105.06 15.98,105.06 16.07,104.98 16.45,104.98 v3(16.51,104.92) ; 46.42,39.26 v3(46.48,39.26) 46.61,39.26 47.24,38.62 47.82,38.62 49.4,37.03 51.94,37.03 53.35,38.44 U2.56 53.35,44.48 53.97,45.1 53.97,47.38 54.42,47.83 54.42,50.56 55.12,51.26 55.12,59.77 54.78,60.11 54.78,61.84 55.24,62.31 55.24,63.01 55.69,63.45 v3(56.45,63.45) ; v3(26.73,101.61) 28.13,100.22 J2.48 28.83,101.11 28.83,102.12 26.73,104.22 23.75,104.22 23.08,104.88 v3(19.65,104.88) ; v3(56.32,72.97) 56.66,73.31 56.66,74.73 58.17,76.23 58.17,80.8 U1.S5 60.63,83.26 65.15,83.26 65.94,82.47 65.94,81.58 67.44,80.09 67.44,78.05 v3(69.09,76.4) ; v3(61.98,140.6) 62.36,140.22 86.61,140.22 88.65,142.25 97.16,142.25 98.04,141.36 102.49,141.36 104.27,143.14 U14.4 v3(106.74,143.14) 113.41,143.14 114.05,143.78 122.56,143.78 123.19,143.14 U18.4 ; v3(40.96,46.69) 40.79,46.52 31.45,46.52 30.54,45.61 v3(30.29,45.61) 30.23,45.61
  Bottom w0.16: v3(28.32,59.77) 28.11,59.56 28.11,46.05 28.55,45.61 v3(30.29,45.61) ; v3(115.63,66.94) 117.28,68.59 117.28,72.47 v3(119,74.18) ; 19.68,104.85 v3(19.65,104.88) 19.11,105.42 17.02,105.42 v3(16.51,104.92) ; 106.81,143.14 107.12,142.82 107.12,141.56 108.33,140.35 108.33,138.44 108.9,137.87 108.9,135.59 109.52,134.97 109.52,126.72 114.51,121.72 114.51,118.1 v3(115.32,117.3) ; J2.48 32.83,100.22 44.64,88.41 48.39,88.41 49.72,87.07 49.72,84.21 51.53,82.4 53.5,82.4 53.72,82.18 U1.S5 ; 115.38,117.23 115.44,117.17 115.44,113.43 116.9,111.96 116.9,98.42 115.21,96.72 115.21,92.83 v3(115.7,92.34) ; v3(56.45,63.45) 56.66,63.66 56.66,68.62 56.09,69.19 56.09,72.74 v3(56.32,72.97) ; v3(46.61,139.33) 61.13,139.33 61.98,140.18 v3(61.98,140.6) ; v3(131.25,92.34) 130.75,91.83 130.75,69.99 v3(129.06,68.31) ; v3(27.88,63.26) 27.88,64.3 27.71,64.47 27.71,67.58 26.99,68.3 26.99,89.55 26.29,90.25 26.29,91.37 26.54,91.62 26.54,96.66 26.13,97.08 26.13,98.53 26.73,99.14 v3(26.73,101.61) ; v3(105.22,74.75) 105.03,74.56 101.79,74.56 100.75,73.52 94.3,73.52 93.98,73.84 93.98,74.82 93.51,75.28 80.94,75.28 79.44,76.78 78.68,76.78 78.36,77.1 69.6,77.1 69.09,76.59 v3(69.09,76.4) ; v3(40.96,46.69) 41.08,46.56 41.08,44.4 42.67,42.81 43.75,42.81 44.89,41.67 44.96,41.67 45.72,40.91 45.72,40.21 46.16,39.76 46.16,39.57 v3(46.48,39.26)